# KiCad board prelude-driver-tail.kicad_pcb (continued)
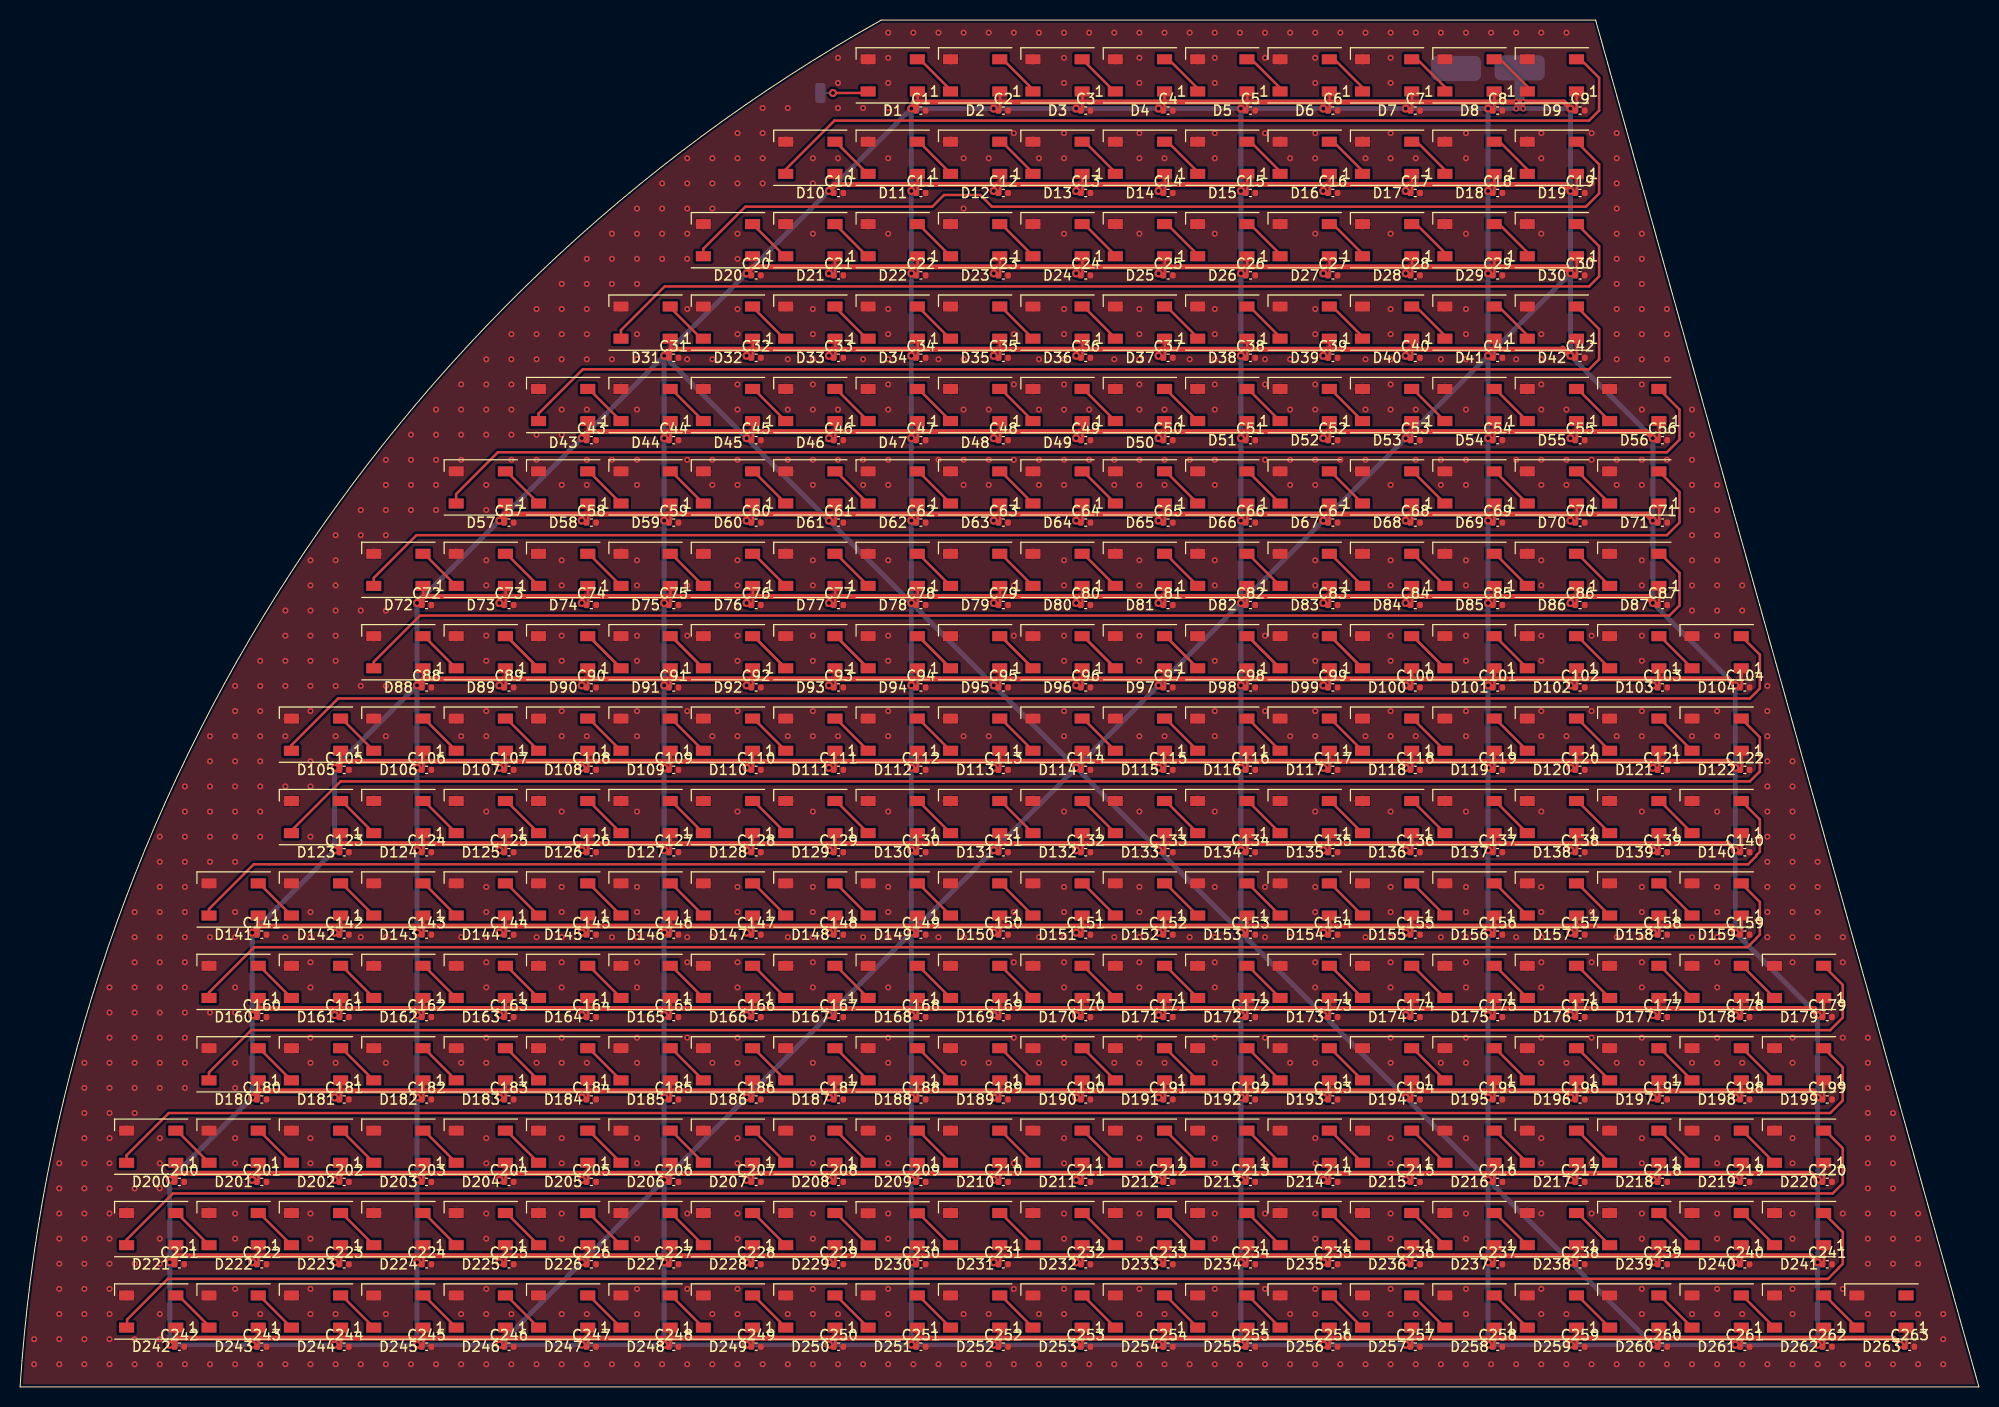
[diagram p0: board, top side]
## Routing (per net, layer and track width the routed paths; a pad name or vN(x,y) marks a point on that pad's centre or on a via; arc(x,y) is an arc through that point) (continued)
GND:
  vias: v1(1.4,4.75) v1(1.4,2.25) v1(3.9,22.25) v1(3.9,19.75) v1(3.9,17.25) v1(3.9,14.75) v1(3.9,12.25) v1(3.9,9.75) v1(3.9,7.25) v1(3.9,4.75) v1(3.9,2.25) v1(6.4,32.25) v1(6.4,29.75) v1(6.4,27.25) v1(6.4,24.75) v1(6.4,22.25) v1(6.4,19.75) v1(6.4,17.25) v1(6.4,14.75) v1(6.4,12.25) v1(6.4,9.75) v1(6.4,7.25) v1(6.4,4.75) v1(6.4,2.25) v1(8.9,39.75) v1(8.9,37.25) v1(8.9,34.75) v1(8.9,32.25) v1(8.9,29.75) v1(8.9,27.25) v1(8.9,24.75) v1(8.9,22.25) v1(8.9,19.75) v1(8.9,17.25) v1(8.9,14.75) v1(8.9,12.25) v1(8.9,9.75) v1(8.9,7.25) v1(8.9,4.75) v1(8.9,2.25) v1(11.4,47.25) v1(11.4,44.75) v1(11.4,42.25) v1(11.4,39.75) v1(11.4,37.25) v1(11.4,34.75) v1(11.4,32.25) v1(11.4,29.75) v1(11.4,27.25) v1(11.4,19.75) v1(11.4,12.25) v1(11.4,4.75) v1(11.4,2.25) v1(13.9,54.75) v1(13.9,52.25) v1(13.9,49.75) v1(13.9,47.25) v1(13.9,44.75) v1(13.9,42.25) v1(13.9,39.75) v1(13.9,37.25) v1(13.9,34.75) v1(13.9,32.25) v1(13.9,29.75) v1(13.9,24.75) v1(13.9,22.25) v1(13.9,19.75) v1(13.9,14.75) v1(13.9,12.25) v1(13.9,7.25) v1(13.9,4.75) v1(13.9,2.25) v1(16.4,59.75) v1(16.4,57.25) v1(16.4,54.75) v1(16.4,52.25) v1(16.4,49.75) v1(16.4,47.25) v1(16.4,44.75) v1(16.4,42.25) v1(16.4,39.75) v1(16.4,37.25) v1(16.4,34.75) v1(16.4,32.25) v1(16.4,29.75) v1(16.4,2.25) v1(18.9,64.75) v1(18.9,62.25) v1(18.9,59.75) v1(18.9,57.25) v1(18.9,54.75) v1(18.9,52.25) v1(18.9,44.75) v1(18.9,37.25) v1(18.9,2.25) v1(21.4,69.75) v1(21.4,67.25) v1(21.4,64.75) v1(21.4,62.25) v1(21.4,59.75) v1(21.4,57.25) v1(21.4,54.75) v1(21.4,52.25) v1(21.4,47.25) v1(21.4,44.75) v1(21.4,39.75) v1(21.4,37.25) v1(21.4,32.25) v1(21.4,29.75) v1(21.4,24.75) v1(21.4,22.25) v1(21.4,17.25) v1(21.4,14.75) v1(21.4,9.75) v1(21.4,7.25) v1(21.4,2.25) v1(23.9,72.25) v1(23.9,69.75) v1(23.9,67.25) v1(23.9,64.75) v1(23.9,62.25) v1(23.9,59.75) v1(23.9,57.25) v1(23.9,54.75) v1(23.9,7.25) v1(23.9,2.25) v1(26.4,77.25) v1(26.4,74.75) v1(26.4,72.25) v1(26.4,69.75) v1(26.4,64.75) v1(26.4,59.75) v1(26.4,44.75) v1(26.4,2.25) v1(28.9,82.25) v1(28.9,79.75) v1(28.9,77.25) v1(28.9,74.75) v1(28.9,72.25) v1(28.9,69.75) v1(28.9,67.25) v1(28.9,62.25) v1(28.9,59.75) v1(28.9,54.75) v1(28.9,47.25) v1(28.9,44.75) v1(28.9,42.25) v1(28.9,39.75) v1(28.9,34.75) v1(28.9,32.25) v1(28.9,24.75) v1(28.9,22.25) v1(28.9,17.25) v1(28.9,14.75) v1(28.9,9.75) v1(28.9,7.25) v1(28.9,2.25) v1(31.4,84.75) v1(31.4,82.25) v1(31.4,79.75) v1(31.4,77.25) v1(31.4,74.75) v1(31.4,72.25) v1(31.4,69.75) v1(31.4,64.75) v1(31.4,32.25) v1(31.4,7.25) v1(31.4,2.25) v1(33.9,87.25) v1(33.9,84.75) v1(33.9,77.25) v1(33.9,69.75) v1(33.9,44.75) v1(33.9,2.25) v1(36.4,92.25) v1(36.4,89.75) v1(36.4,87.25) v1(36.4,84.75) v1(36.4,77.25) v1(36.4,69.75) v1(36.4,64.75) v1(36.4,44.75) v1(36.4,32.25) v1(36.4,7.25) v1(36.4,2.25) v1(38.9,94.75) v1(38.9,92.25) v1(38.9,89.75) v1(38.9,87.25) v1(38.9,2.25) v1(41.4,97.25) v1(41.4,94.75) v1(41.4,92.25) v1(41.4,89.75) v1(41.4,87.25) v1(41.4,2.25) v1(43.9,99.75) v1(43.9,97.25) v1(43.9,94.75) v1(43.9,92.25) v1(43.9,64.75) v1(43.9,44.75) v1(43.9,32.25) v1(43.9,7.25) v1(43.9,2.25) v1(46.4,102.25) v1(46.4,99.75) v1(46.4,97.25) v1(46.4,94.75) v1(46.4,89.75) v1(46.4,87.25) v1(46.4,82.25) v1(46.4,79.75) v1(46.4,74.75) v1(46.4,72.25) v1(46.4,67.25) v1(46.4,64.75) v1(46.4,57.25) v1(46.4,49.75) v1(46.4,47.25) v1(46.4,44.75) v1(46.4,42.25) v1(46.4,39.75) v1(46.4,34.75) v1(46.4,32.25) v1(46.4,24.75) v1(46.4,22.25) v1(46.4,17.25) v1(46.4,14.75) v1(46.4,9.75) v1(46.4,7.25) v1(46.4,2.25) v1(48.9,104.75) v1(48.9,102.25) v1(48.9,99.75) v1(48.9,97.25) v1(48.9,94.75) v1(48.9,92.25) v1(48.9,7.25) v1(48.9,2.25) v1(51.4,107.25) v1(51.4,104.75) v1(51.4,102.25) v1(51.4,94.75) v1(51.4,92.25) v1(51.4,44.75) v1(51.4,32.25) v1(51.4,2.25) v1(53.9,109.75) v1(53.9,107.25) v1(53.9,104.75) v1(53.9,102.25) v1(53.9,97.25) v1(53.9,94.75) v1(53.9,89.75) v1(53.9,82.25) v1(53.9,79.75) v1(53.9,74.75) v1(53.9,72.25) v1(53.9,67.25) v1(53.9,64.75) v1(53.9,57.25) v1(53.9,49.75) v1(53.9,47.25) v1(53.9,44.75) v1(53.9,42.25) v1(53.9,39.75) v1(53.9,34.75) v1(53.9,32.25) v1(53.9,24.75) v1(53.9,22.25) v1(53.9,17.25) v1(53.9,14.75) v1(53.9,7.25) v1(53.9,2.25) v1(56.4,112.25) v1(56.4,109.75) v1(56.4,107.25) v1(56.4,104.75) v1(56.4,102.25) v1(56.4,97.25) v1(56.4,92.25) v1(56.4,89.75) v1(56.4,64.75) v1(56.4,32.25) v1(56.4,7.25) v1(56.4,2.25) v1(58.9,114.75) v1(58.9,112.25) v1(58.9,109.75) v1(58.9,102.25) v1(58.9,92.25) v1(58.9,44.75) v1(58.9,2.25) v1(61.4,117.25) v1(61.4,114.75) v1(61.4,112.25) v1(61.4,109.75) v1(61.4,104.75) v1(61.4,102.25) v1(61.4,97.25) v1(61.4,92.25) v1(61.4,89.75) v1(61.4,82.25) v1(61.4,79.75) v1(61.4,74.75) v1(61.4,72.25) v1(61.4,67.25) v1(61.4,64.75) v1(61.4,57.25) v1(61.4,49.75) v1(61.4,47.25) v1(61.4,44.75) v1(61.4,42.25) v1(61.4,39.75) v1(61.4,34.75) v1(61.4,32.25) v1(61.4,24.75) v1(61.4,22.25) v1(61.4,14.75) v1(61.4,9.75) v1(61.4,7.25) v1(61.4,2.25) v1(63.9,119.75) v1(63.9,117.25) v1(63.9,114.75) v1(63.9,112.25) v1(63.9,2.25) v1(66.4,122.25) v1(66.4,119.75) v1(66.4,117.25) v1(66.4,114.75) v1(66.4,112.25) v1(66.4,107.25) v1(66.4,102.25) v1(66.4,92.25) v1(66.4,79.75) v1(66.4,74.75) v1(66.4,67.25) v1(66.4,44.75) v1(66.4,42.25) v1(66.4,34.75) v1(66.4,17.25) v1(66.4,9.75) v1(66.4,2.25) v1(68.9,122.25) v1(68.9,119.75) v1(68.9,117.25) v1(68.9,102.25) v1(68.9,92.25) v1(68.9,89.75) v1(68.9,64.75) v1(68.9,44.75) v1(68.9,32.25) v1(68.9,7.25) v1(68.9,2.25) v1(71.4,124.75) v1(71.4,122.25) v1(71.4,119.75) v1(71.4,114.75) v1(71.4,112.25) v1(71.4,107.25) v1(71.4,104.75) v1(71.4,99.75) v1(71.4,97.25) v1(71.4,92.25) v1(71.4,89.75) v1(71.4,82.25) v1(71.4,79.75) v1(71.4,74.75) v1(71.4,72.25) v1(71.4,67.25) v1(71.4,64.75) v1(71.4,57.25) v1(71.4,49.75) v1(71.4,47.25) v1(71.4,42.25) v1(71.4,39.75) v1(71.4,34.75) v1(71.4,32.25) v1(71.4,24.75) v1(71.4,22.25) v1(71.4,17.25) v1(71.4,14.75) v1(71.4,9.75) v1(71.4,7.25) v1(71.4,2.25) v1(73.9,127.25) v1(73.9,124.75) v1(73.9,122.25) v1(73.9,119.75) v1(73.9,2.25) v1(76.4,127.25) v1(76.4,102.25) v1(76.4,97.25) v1(76.4,92.25) v1(76.4,64.75) v1(76.4,44.75) v1(76.4,7.25) v1(76.4,2.25) v1(78.9,122.25) v1(78.9,119.75) v1(78.9,114.75) v1(78.9,107.25) v1(78.9,104.75) v1(78.9,102.25) v1(78.9,99.75) v1(78.9,97.25) v1(78.9,92.25) v1(78.9,89.75) v1(78.9,82.25) v1(78.9,79.75) v1(78.9,74.75) v1(78.9,72.25) v1(78.9,67.25) v1(78.9,64.75) v1(78.9,57.25) v1(78.9,49.75) v1(78.9,47.25) v1(78.9,44.75) v1(78.9,42.25) v1(78.9,39.75) v1(78.9,32.25) v1(78.9,24.75) v1(78.9,22.25) v1(78.9,17.25) v1(78.9,14.75) v1(78.9,9.75) v1(78.9,7.25) v1(78.9,2.25) v1(81.4,132.25) v1(81.4,129.75) v1(81.4,127.25) v1(81.4,122.25) v1(81.4,97.25) v1(81.4,92.25) v1(81.4,64.75) v1(81.4,7.25) v1(81.4,2.25) v1(83.9,127.25) v1(83.9,102.25) v1(83.9,92.25) v1(83.9,89.75) v1(83.9,44.75) v1(83.9,2.25) v1(86.4,134.75) v1(86.4,132.25) v1(86.4,129.75) v1(86.4,127.25) v1(86.4,122.25) v1(86.4,114.75) v1(86.4,107.25) v1(86.4,104.75) v1(86.4,102.25) v1(86.4,99.75) v1(86.4,97.25) v1(86.4,92.25) v1(86.4,89.75) v1(86.4,82.25) v1(86.4,74.75) v1(86.4,72.25) v1(86.4,67.25) v1(86.4,64.75) v1(86.4,57.25) v1(86.4,49.75) v1(86.4,47.25) v1(86.4,44.75) v1(86.4,39.75) v1(86.4,34.75) v1(86.4,32.25) v1(86.4,24.75) v1(86.4,22.25) v1(86.4,17.25) v1(86.4,14.75) v1(86.4,9.75) v1(86.4,7.25) v1(86.4,2.25) v1(88.9,134.75) v1(88.9,2.25) v1(91.4,134.75) v1(91.4,102.25) v1(91.4,92.25) v1(91.4,44.75) v1(91.4,2.25) v1(93.9,134.75) v1(93.9,122.25) v1(93.9,117.25) v1(93.9,102.25) v1(93.9,97.25) v1(93.9,92.25) v1(93.9,89.75) v1(93.9,64.75) v1(93.9,44.75) v1(93.9,32.25) v1(93.9,7.25) v1(93.9,2.25) v1(96.4,134.75) v1(96.4,122.25) v1(96.4,97.25) v1(96.4,92.25) v1(96.4,89.75) v1(96.4,64.75) v1(96.4,32.25) v1(96.4,7.25) v1(96.4,2.25) v1(98.9,134.75) v1(98.9,124.75) v1(98.9,104.75) v1(98.9,99.75) v1(98.9,92.25) v1(98.9,79.75) v1(98.9,74.75) v1(98.9,47.25) v1(98.9,42.25) v1(98.9,34.75) v1(98.9,22.25) v1(98.9,9.75) v1(98.9,2.25) v1(101.4,134.75) v1(101.4,122.25) v1(101.4,102.25) v1(101.4,97.25) v1(101.4,92.25) v1(101.4,89.75) v1(101.4,44.75) v1(101.4,32.25) v1(101.4,7.25) v1(101.4,2.25) v1(103.9,134.75) v1(103.9,132.25) v1(103.9,129.75) v1(103.9,124.75) v1(103.9,122.25) v1(103.9,114.75) v1(103.9,107.25) v1(103.9,104.75) v1(103.9,102.25) v1(103.9,99.75) v1(103.9,97.25) v1(103.9,92.25) v1(103.9,89.75) v1(103.9,82.25) v1(103.9,79.75) v1(103.9,74.75) v1(103.9,72.25) v1(103.9,67.25) v1(103.9,64.75) v1(103.9,57.25) v1(103.9,49.75) v1(103.9,47.25) v1(103.9,44.75) v1(103.9,42.25) v1(103.9,39.75) v1(103.9,34.75) v1(103.9,32.25) v1(103.9,24.75) v1(103.9,22.25) v1(103.9,17.25) v1(103.9,14.75) v1(103.9,9.75) v1(103.9,7.25) v1(103.9,2.25) v1(106.4,134.75) v1(106.4,97.25) v1(106.4,92.25) v1(106.4,2.25) v1(108.9,134.75) v1(108.9,102.25) v1(108.9,92.25) v1(108.9,89.75) v1(108.9,44.75) v1(108.9,32.25) v1(108.9,2.25) v1(111.4,134.75) v1(111.4,132.25) v1(111.4,129.75) v1(111.4,124.75) v1(111.4,122.25) v1(111.4,114.75) v1(111.4,107.25) v1(111.4,104.75) v1(111.4,102.25) v1(111.4,99.75) v1(111.4,97.25) v1(111.4,92.25) v1(111.4,89.75) v1(111.4,82.25) v1(111.4,79.75) v1(111.4,74.75) v1(111.4,72.25) v1(111.4,64.75) v1(111.4,57.25) v1(111.4,49.75) v1(111.4,47.25) v1(111.4,44.75) v1(111.4,42.25) v1(111.4,39.75) v1(111.4,34.75) v1(111.4,32.25) v1(111.4,24.75) v1(111.4,22.25) v1(111.4,17.25) v1(111.4,14.75) v1(111.4,9.75) v1(111.4,7.25) v1(111.4,2.25) v1(113.9,134.75) v1(113.9,122.25) v1(113.9,97.25) v1(113.9,92.25) v1(113.9,89.75) v1(113.9,64.75) v1(113.9,32.25) v1(113.9,7.25) v1(113.9,2.25) v1(116.4,134.75) v1(116.4,102.25) v1(116.4,92.25) v1(116.4,44.75) v1(116.4,2.25) v1(118.9,134.75) v1(118.9,132.25) v1(118.9,129.75) v1(118.9,124.75) v1(118.9,122.25) v1(118.9,114.75) v1(118.9,107.25) v1(118.9,104.75) v1(118.9,102.25) v1(118.9,99.75) v1(118.9,97.25) v1(118.9,92.25) v1(118.9,89.75) v1(118.9,82.25) v1(118.9,79.75) v1(118.9,72.25) v1(118.9,67.25) v1(118.9,64.75) v1(118.9,57.25) v1(118.9,49.75) v1(118.9,44.75) v1(118.9,42.25) v1(118.9,39.75) v1(118.9,34.75) v1(118.9,32.25) v1(118.9,24.75) v1(118.9,22.25) v1(118.9,17.25) v1(118.9,14.75) v1(118.9,9.75) v1(118.9,7.25) v1(118.9,2.25) v1(121.4,134.75) v1(121.4,2.25) v1(123.9,134.75) v1(123.9,132.25) v1(123.9,124.75) v1(123.9,102.25) v1(123.9,99.75) v1(123.9,92.25) v1(123.9,74.75) v1(123.9,67.25) v1(123.9,49.75) v1(123.9,44.75) v1(123.9,34.75) v1(123.9,22.25) v1(123.9,17.25) v1(123.9,9.75) v1(123.9,2.25) v1(126.4,134.75) v1(126.4,122.25) v1(126.4,102.25) v1(126.4,97.25) v1(126.4,92.25) v1(126.4,89.75) v1(126.4,64.75) v1(126.4,44.75) v1(126.4,32.25) v1(126.4,7.25) v1(126.4,2.25) v1(128.9,134.75) v1(128.9,132.25) v1(128.9,129.75) v1(128.9,124.75) v1(128.9,122.25) v1(128.9,114.75) v1(128.9,107.25) v1(128.9,104.75) v1(128.9,99.75) v1(128.9,97.25) v1(128.9,92.25) v1(128.9,89.75) v1(128.9,82.25) v1(128.9,79.75) v1(128.9,74.75) v1(128.9,72.25) v1(128.9,67.25) v1(128.9,64.75) v1(128.9,57.25) v1(128.9,49.75) v1(128.9,47.25) v1(128.9,42.25) v1(128.9,39.75) v1(128.9,34.75) v1(128.9,32.25) v1(128.9,24.75) v1(128.9,22.25) v1(128.9,17.25) v1(128.9,14.75) v1(128.9,9.75) v1(128.9,7.25) v1(128.9,2.25) v1(131.4,134.75) v1(131.4,92.25) v1(131.4,2.25) v1(133.9,134.75) v1(133.9,122.25) v1(133.9,102.25) v1(133.9,97.25) v1(133.9,92.25) v1(133.9,64.75) v1(133.9,44.75) v1(133.9,7.25) v1(133.9,2.25) v1(136.4,134.75) v1(136.4,132.25) v1(136.4,129.75) v1(136.4,124.75) v1(136.4,122.25) v1(136.4,114.75) v1(136.4,107.25) v1(136.4,104.75) v1(136.4,102.25) v1(136.4,99.75) v1(136.4,97.25) v1(136.4,89.75) v1(136.4,82.25) v1(136.4,79.75) v1(136.4,74.75) v1(136.4,72.25) v1(136.4,67.25) v1(136.4,64.75) v1(136.4,57.25) v1(136.4,49.75) v1(136.4,47.25) v1(136.4,44.75) v1(136.4,42.25) v1(136.4,39.75) v1(136.4,34.75) v1(136.4,32.25) v1(136.4,24.75) v1(136.4,22.25) v1(136.4,17.25) v1(136.4,14.75) v1(136.4,9.75) v1(136.4,7.25) v1(136.4,2.25) v1(138.9,134.75) v1(138.9,122.25) v1(138.9,97.25) v1(138.9,92.25) v1(138.9,64.75) v1(138.9,7.25) v1(138.9,2.25) v1(141.4,134.75) v1(141.4,102.25) v1(141.4,92.25) v1(141.4,89.75) v1(141.4,44.75) v1(141.4,32.25) v1(141.4,2.25) v1(143.9,134.75) v1(143.9,124.75) v1(143.9,122.25) v1(143.9,114.75) v1(143.9,107.25) v1(143.9,104.75) v1(143.9,102.25) v1(143.9,97.25) v1(143.9,92.25) v1(143.9,89.75) v1(143.9,82.25) v1(143.9,79.75) v1(143.9,74.75) v1(143.9,72.25) v1(143.9,67.25) v1(143.9,64.75) v1(143.9,57.25) v1(143.9,49.75) v1(143.9,47.25) v1(143.9,44.75) v1(143.9,42.25) v1(143.9,39.75) v1(143.9,34.75) v1(143.9,32.25) v1(143.9,24.75) v1(143.9,17.25) v1(143.9,14.75) v1(143.9,9.75) v1(143.9,7.25) v1(143.9,2.25) v1(146.4,134.75) v1(146.4,2.25) v1(148.9,134.75) v1(148.9,102.25) v1(148.9,92.25) v1(148.9,44.75) v1(148.9,2.25) v1(151.4,134.75) v1(151.4,124.75) v1(151.4,122.25) v1(151.4,114.75) v1(151.4,104.75) v1(151.4,102.25) v1(151.4,99.75) v1(151.4,97.25) v1(151.4,92.25) v1(151.4,89.75) v1(151.4,82.25) v1(151.4,79.75) v1(151.4,74.75) v1(151.4,72.25) v1(151.4,67.25) v1(151.4,64.75) v1(151.4,57.25) v1(151.4,49.75) v1(151.4,47.25) v1(151.4,44.75) v1(151.4,42.25) v1(151.4,39.75) v1(151.4,34.75) v1(151.4,32.25) v1(151.4,24.75) v1(151.4,22.25) v1(151.4,17.25) v1(151.4,9.75) v1(151.4,7.25) v1(151.4,2.25) v1(153.9,134.75) v1(153.9,97.25) v1(153.9,92.25) v1(153.9,89.75) v1(153.9,64.75) v1(153.9,32.25) v1(153.9,7.25) v1(153.9,2.25) v1(156.4,124.75) v1(156.4,119.75) v1(156.4,112.25) v1(156.4,92.25) v1(156.4,79.75) v1(156.4,74.75) v1(156.4,67.25) v1(156.4,47.25) v1(156.4,42.25) v1(156.4,34.75) v1(156.4,22.25) v1(156.4,17.25) v1(156.4,2.25) v1(158.9,124.75) v1(158.9,122.25) v1(158.9,119.75) v1(158.9,117.25) v1(158.9,114.75) v1(158.9,112.25) v1(158.9,109.75) v1(158.9,107.25) v1(158.9,104.75) v1(158.9,102.25) v1(158.9,92.25) v1(158.9,89.75) v1(158.9,64.75) v1(158.9,44.75) v1(158.9,32.25) v1(158.9,2.25) v1(161.4,114.75) v1(161.4,112.25) v1(161.4,109.75) v1(161.4,107.25) v1(161.4,104.75) v1(161.4,102.25) v1(161.4,99.75) v1(161.4,97.25) v1(161.4,92.25) v1(161.4,89.75) v1(161.4,82.25) v1(161.4,79.75) v1(161.4,74.75) v1(161.4,72.25) v1(161.4,67.25) v1(161.4,64.75) v1(161.4,57.25) v1(161.4,49.75) v1(161.4,47.25) v1(161.4,44.75) v1(161.4,42.25) v1(161.4,39.75) v1(161.4,34.75) v1(161.4,32.25) v1(161.4,24.75) v1(161.4,22.25) v1(161.4,17.25) v1(161.4,14.75) v1(161.4,9.75) v1(161.4,7.25) v1(161.4,2.25) v1(163.9,107.25) v1(163.9,104.75) v1(163.9,102.25) v1(163.9,92.25) v1(163.9,2.25) v1(166.4,97.25) v1(166.4,94.75) v1(166.4,92.25) v1(166.4,89.75) v1(166.4,87.25) v1(166.4,84.75) v1(166.4,82.25) v1(166.4,79.75) v1(166.4,77.25) v1(166.4,64.75) v1(166.4,44.75) v1(166.4,32.25) v1(166.4,7.25) v1(166.4,2.25) v1(168.9,89.75) v1(168.9,87.25) v1(168.9,84.75) v1(168.9,82.25) v1(168.9,79.75) v1(168.9,77.25) v1(168.9,74.75) v1(168.9,67.25) v1(168.9,64.75) v1(168.9,57.25) v1(168.9,49.75) v1(168.9,47.25) v1(168.9,44.75) v1(168.9,42.25) v1(168.9,39.75) v1(168.9,34.75) v1(168.9,32.25) v1(168.9,24.75) v1(168.9,22.25) v1(168.9,17.25) v1(168.9,14.75) v1(168.9,9.75) v1(168.9,7.25) v1(168.9,2.25) v1(171.4,79.75) v1(171.4,77.25) v1(171.4,32.25) v1(171.4,7.25) v1(171.4,2.25) v1(173.9,69.75) v1(173.9,67.25) v1(173.9,64.75) v1(173.9,62.25) v1(173.9,59.75) v1(173.9,57.25) v1(173.9,54.75) v1(173.9,52.25) v1(173.9,49.75) v1(173.9,47.25) v1(173.9,44.75) v1(173.9,2.25) v1(176.4,62.25) v1(176.4,59.75) v1(176.4,57.25) v1(176.4,54.75) v1(176.4,52.25) v1(176.4,49.75) v1(176.4,47.25) v1(176.4,44.75) v1(176.4,42.25) v1(176.4,34.75) v1(176.4,32.25) v1(176.4,24.75) v1(176.4,22.25) v1(176.4,17.25) v1(176.4,14.75) v1(176.4,9.75) v1(176.4,7.25) v1(176.4,2.25) v1(178.9,52.25) v1(178.9,49.75) v1(178.9,47.25) v1(178.9,44.75) v1(178.9,2.25) v1(181.4,44.75) v1(181.4,42.25) v1(181.4,34.75) v1(181.4,17.25) v1(181.4,9.75) v1(181.4,2.25) v1(183.9,34.75) v1(183.9,32.25) v1(183.9,29.75) v1(183.9,27.25) v1(183.9,24.75) v1(183.9,22.25) v1(183.9,19.75) v1(183.9,17.25) v1(183.9,14.75) v1(183.9,12.25) v1(183.9,7.25) v1(183.9,2.25) v1(186.4,27.25) v1(186.4,24.75) v1(186.4,22.25) v1(186.4,19.75) v1(186.4,17.25) v1(186.4,14.75) v1(186.4,12.25) v1(186.4,7.25) v1(186.4,2.25) v1(188.9,17.25) v1(188.9,14.75) v1(188.9,12.25) v1(188.9,7.25) v1(188.9,2.25) v1(191.4,7.25) v1(191.4,4.75) v1(191.4,2.25)
/DriverBrakeLeds/DRIVER_BRAKE_LED_DIN: length 4.8
  Top w0.25: v2(80.9,128.75) 84.25,128.75 D1.4
  Bottom w0.25: v2(80.9,128.75) DIN.1
Net-(D1-Pad2): length 4.8
  Top w0.25: 92.75,128.9 89.55,132.1 89.31,132.1
Net-(D2-Pad2): length 4.7
  Top w0.25: 97.65,132.1 97.8,132.1 101,128.9
Net-(D3-Pad2): length 4.6
  Top w0.25: D4.4 108.9,128.9 D3.2
Net-(D4-Pad2): length 4.5
  Top w0.25: 114.3,132.1 117.5,128.9
Net-(D5-Pad2): length 4.7
  Top w0.25: 122.4,132.1 122.55,132.1 125.75,128.9
Net-(D6-Pad2): length 4.7
  Top w0.25: 130.65,132.1 130.8,132.1 134,128.9
Net-(D7-Pad2): length 4.7
  Top w0.25: 138.9,132.1 139.05,132.1 142.25,128.9
Net-(D8-Pad2): length 4.7
  Top w0.25: 150.5,128.9 147.3,132.1 147.15,132.1
Net-(D10-Pad2): length 4.6
  Top w0.25: 84.41,120.65 81.21,123.85 81.1,123.85
Net-(D10-Pad4): length 89.7
  Top w0.25: 155.3,132.1 157.15,130.25 157.15,127 156.15,126 81.05,126 76.2,121.15 D10.4
Net-(D11-Pad2): length 4.7
  Top w0.25: 92.7,120.65 89.5,123.85 89.31,123.85
Net-(D12-Pad2): length 4.7
  Top w0.25: 97.6,123.85 97.75,123.85 100.95,120.65
Net-(D13-Pad2): length 4.7
  Top w0.25: 109.2,120.65 106,123.85 105.85,123.85
Net-(D14-Pad2): length 4.7
  Top w0.25: 117.45,120.65 114.25,123.85 114.1,123.85
Net-(D15-Pad2): length 4.7
  Top w0.25: 122.35,123.85 122.5,123.85 125.7,120.65
Net-(D16-Pad2): length 4.7
  Top w0.25: 130.6,123.85 130.75,123.85 133.95,120.65
Net-(D17-Pad2): length 4.7
  Top w0.25: 142.25,120.65 139.05,123.85 138.85,123.85
Net-(D18-Pad2): length 4.7
  Top w0.25: 150.5,120.65 147.3,123.85 147.15,123.85
Net-(D19-Pad2): length 99.2
  Top w0.25: D20.4 68,113.25 72.19,117.44 90.79,117.44 91.95,118.6 95.55,118.6 96.72,117.44 155.84,117.44 157.15,118.75 157.15,121.65 D19.2
Net-(D20-Pad2): length 4.7
  Top w0.25: 76.2,112.4 73,115.6 72.85,115.6
Net-(D21-Pad2): length 4.6
  Top w0.25: 81.1,115.6 81.21,115.6 84.41,112.4
Net-(D22-Pad2): length 4.7
  Top w0.25: 92.7,112.4 89.5,115.6 89.31,115.6
Net-(D23-Pad2): length 4.7
  Top w0.25: 100.95,112.4 97.75,115.6 97.6,115.6
Net-(D24-Pad2): length 4.7
  Top w0.25: 105.85,115.6 106,115.6 109.2,112.4
Net-(D25-Pad2): length 4.7
  Top w0.25: 114.1,115.6 114.25,115.6 117.45,112.4
Net-(D26-Pad2): length 4.7
  Top w0.25: 122.35,115.6 122.5,115.6 125.7,112.4
Net-(D27-Pad2): length 4.7
  Top w0.25: 133.95,112.4 130.75,115.6 130.6,115.6
Net-(D28-Pad2): length 4.7
  Top w0.25: 142.25,112.4 139.05,115.6 138.85,115.6
Net-(D29-Pad2): length 4.7
  Top w0.25: 147.15,115.6 147.3,115.6 150.5,112.4
Net-(D30-Pad2): length 106.5
  Top w0.25: D31.4 59.8,105.15 64.15,109.5 156.15,109.5 157.15,110.5 157.15,113.5 154.95,115.7
Net-(D31-Pad2): length 4.5
  Top w0.25: 64.75,107.35 67.95,104.15
Net-(D32-Pad2): length 4.7
  Top w0.25: 72.85,107.35 73,107.35 76.2,104.15
Net-(D33-Pad2): length 4.6
  Top w0.25: 81.1,107.35 81.21,107.35 84.41,104.15
Net-(D34-Pad2): length 4.7
  Top w0.25: 89.31,107.35 89.5,107.35 92.7,104.15
Net-(D35-Pad2): length 4.7
  Top w0.25: 100.95,104.15 97.75,107.35 97.6,107.35
Net-(D36-Pad2): length 4.7
  Top w0.25: 105.85,107.35 106,107.35 109.2,104.15
Net-(D37-Pad2): length 4.7
  Top w0.25: 114.1,107.35 114.25,107.35 117.45,104.15
Net-(D38-Pad2): length 4.7
  Top w0.25: 122.35,107.35 122.5,107.35 125.7,104.15
Net-(D39-Pad2): length 4.7
  Top w0.25: 130.6,107.35 130.75,107.35 133.95,104.15
Net-(D40-Pad2): length 4.7
  Top w0.25: 142.25,104.15 139.05,107.35 138.85,107.35
Net-(D41-Pad2): length 4.7
  Top w0.25: 150.5,104.15 147.3,107.35 147.15,107.35
Net-(D42-Pad2): length 114.7
  Top w0.25: D43.4 51.6,96.85 56,101.25 156.15,101.25 157.15,102.25 157.15,105.25 D42.2
Net-(D43-Pad2): length 4.6
  Top w0.25: D44.4 56.6,99.3 D43.2
Net-(D44-Pad2): length 4.6
  Top w0.25: D45.4 64.8,99.3 D44.2
Net-(D45-Pad2): length 4.6
  Top w0.25: D46.4 73,99.3 D45.2
Net-(D46-Pad2): length 4.6
  Top w0.25: D46.2 81.2,99.3 D47.4
Net-(D47-Pad2): length 4.6
  Top w0.25: D47.2 89.4,99.3 D48.4
Net-(D48-Pad2): length 4.6
  Top w0.25: D49.4 97.6,99.3 D48.2
Net-(D49-Pad2): length 4.6
  Top w0.25: D50.4 105.8,99.3 D49.2
Net-(D50-Pad2): length 4.6
  Top w0.25: D50.2 114,99.3 D51.4
Net-(D51-Pad2): length 4.6
  Top w0.25: D51.2 122.2,99.3 D52.4
Net-(D52-Pad2): length 4.6
  Top w0.25: D53.4 130.4,99.3 D52.2
Net-(D53-Pad2): length 4.6
  Top w0.25: D53.2 138.6,99.3 D54.4
Net-(D54-Pad2): length 4.6
  Top w0.25: D54.2 146.8,99.3 D55.4
Net-(D55-Pad2): length 4.6
  Top w0.25: D55.2 155,99.3 D56.4
Net-(D56-Pad2): length 130.8
  Top w0.25: D57.4 43.4,88.85 47.55,93 163.9,93 165.15,94.25 165.15,97.25 D56.2
Net-(D57-Pad2): length 4.6
  Top w0.25: D58.4 48.4,91.1 D57.2
Net-(D58-Pad2): length 4.6
  Top w0.25: D59.4 56.6,91.1 D58.2
Net-(D59-Pad2): length 4.6
  Top w0.25: D60.4 64.8,91.1 D59.2
Net-(D60-Pad2): length 4.6
  Top w0.25: D61.4 73,91.1 D60.2
Net-(D61-Pad2): length 4.6
  Top w0.25: D62.4 81.2,91.1 D61.2
Net-(D62-Pad2): length 4.6
  Top w0.25: D62.2 89.4,91.1 D63.4
Net-(D63-Pad2): length 4.6
  Top w0.25: D63.2 97.6,91.1 D64.4
Net-(D64-Pad2): length 4.6
  Top w0.25: D65.4 105.8,91.1 D64.2
Net-(D65-Pad2): length 4.6
  Top w0.25: D65.2 114,91.1 D66.4
Net-(D66-Pad2): length 4.6
  Top w0.25: D66.2 122.2,91.1 D67.4
Net-(D67-Pad2): length 4.6
  Top w0.25: D68.4 130.4,91.1 D67.2
Net-(D68-Pad2): length 4.6
  Top w0.25: D69.4 138.6,91.1 D68.2
Net-(D69-Pad2): length 4.6
  Top w0.25: D70.4 146.8,91.1 D69.2
Net-(D70-Pad2): length 4.6
  Top w0.25: D71.4 155,91.1 D70.2
Net-(D71-Pad2): length 139
  Top w0.25: D72.4 35.2,80.5 39.45,84.75 163.9,84.75 165.15,86 165.15,89.05 D71.2
Net-(D72-Pad2): length 4.6
  Top w0.25: D72.2 40.2,82.9 D73.4
Net-(D73-Pad2): length 4.6
  Top w0.25: D74.4 48.4,82.9 D73.2
Net-(D74-Pad2): length 4.6
  Top w0.25: D74.2 56.6,82.9 D75.4
Net-(D75-Pad2): length 4.6
  Top w0.25: D75.2 64.8,82.9 D76.4
Net-(D76-Pad2): length 4.6
  Top w0.25: D76.2 73,82.9 D77.4
Net-(D77-Pad2): length 4.6
  Top w0.25: D77.2 81.2,82.9 D78.4
Net-(D78-Pad2): length 4.6
  Top w0.25: D78.2 89.4,82.9 D79.4
Net-(D79-Pad2): length 4.6
  Top w0.25: D79.2 97.6,82.9 D80.4
Net-(D80-Pad2): length 4.6
  Top w0.25: D81.4 105.8,82.9 D80.2
Net-(D81-Pad2): length 4.6
  Top w0.25: D81.2 114,82.9 D82.4
Net-(D82-Pad2): length 4.6
  Top w0.25: D82.2 122.2,82.9 D83.4
Net-(D83-Pad2): length 4.6
  Top w0.25: D84.4 130.4,82.9 D83.2
Net-(D84-Pad2): length 4.6
  Top w0.25: D85.4 138.6,82.9 D84.2
Net-(D85-Pad2): length 4.6
  Top w0.25: D86.4 146.8,82.9 D85.2
Net-(D86-Pad2): length 4.6
  Top w0.25: D86.2 155,82.9 D87.4
Net-(D87-Pad2): length 139
  Top w0.25: D87.2 163.25,82.9 165.15,81 165.15,77.75 164.15,76.75 39.8,76.75 35.2,72.15 D88.4
Net-(D88-Pad2): length 4.6
  Top w0.25: D89.4 40.2,74.7 D88.2
Net-(D89-Pad2): length 9.3
  Top w0.25: 48.4,74.7 D89.2 48.4,74.7 ; 48.4,74.7 D90.4 48.4,74.7
Net-(D90-Pad2): length 9.3
  Top w0.25: 56.6,74.7 D91.4 56.6,74.7 ; 56.6,74.7 D90.2 56.6,74.7
Net-(D91-Pad2): length 9.3
  Top w0.25: 64.8,74.7 D91.2 64.8,74.7 ; 64.8,74.7 D92.4 64.8,74.7
Net-(D92-Pad2): length 9.3
  Top w0.25: 73,74.7 D92.2 73,74.7 ; 73,74.7 D93.4 73,74.7
Net-(D93-Pad2): length 9.3
  Top w0.25: 81.2,74.7 D93.2 81.2,74.7 ; 81.2,74.7 D94.4 81.2,74.7
Net-(D94-Pad2): length 9.3
  Top w0.25: 89.4,74.7 D94.2 89.4,74.7 ; 89.4,74.7 D95.4 89.4,74.7
Net-(D95-Pad2): length 9.3
  Top w0.25: 97.6,74.7 D96.4 97.6,74.7 ; 97.6,74.7 D95.2 97.6,74.7
Net-(D96-Pad2): length 9.3
  Top w0.25: 105.8,74.7 D97.4 105.8,74.7 ; 105.8,74.7 D96.2 105.8,74.7
Net-(D97-Pad2): length 9.3
  Top w0.25: 114,74.7 D98.4 114,74.7 ; 114,74.7 D97.2 114,74.7
Net-(D98-Pad2): length 9.3
  Top w0.25: 122.2,74.7 D99.4 122.2,74.7 ; 122.2,74.7 D98.2 122.2,74.7
Net-(D100-Pad2): length 9.3
  Top w0.25: 138.6,74.7 D101.4 138.6,74.7 ; 138.6,74.7 D100.2 138.6,74.7
Net-(D100-Pad4): length 9.3
  Top w0.25: 130.4,74.7 D99.2 130.4,74.7 ; 130.4,74.7 D100.4 130.4,74.7
Net-(D101-Pad2): length 4.6
  Top w0.25: D102.4 146.8,74.7 D101.2
Net-(D102-Pad2): length 4.6
  Top w0.25: D102.2 155,74.7 D103.4
Net-(D103-Pad2): length 4.6
  Top w0.25: D103.2 163.2,74.7 D104.4
Net-(D104-Pad2): length 155
  Top w0.25: D105.4 27,63.85 31.65,68.5 172.15,68.5 173.15,69.5 173.15,72.85 D104.2
Net-(D105-Pad2): length 4.6
  Top w0.25: D106.4 32,66.5 D105.2
Net-(D106-Pad2): length 4.6
  Top w0.25: D106.2 40.2,66.5 D107.4
Net-(D107-Pad2): length 4.6
  Top w0.25: D107.2 48.4,66.5 D108.4
Net-(D108-Pad2): length 4.6
  Top w0.25: D109.4 56.6,66.5 D108.2
Net-(D109-Pad2): length 4.6
  Top w0.25: D110.4 64.8,66.5 D109.2
Net-(D110-Pad2): length 4.6
  Top w0.25: D110.2 73,66.5 D111.4
Net-(D111-Pad2): length 4.6
  Top w0.25: D111.2 81.2,66.5 D112.4
Net-(D112-Pad2): length 4.6
  Top w0.25: D113.4 89.4,66.5 D112.2
Net-(D113-Pad2): length 4.6
  Top w0.25: D113.2 97.6,66.5 D114.4
Net-(D114-Pad2): length 4.6
  Top w0.25: D115.4 105.8,66.5 D114.2
Net-(D115-Pad2): length 4.6
  Top w0.25: D115.2 114,66.5 D116.4
Net-(D116-Pad2): length 4.6
  Top w0.25: D116.2 122.2,66.5 D117.4
Net-(D117-Pad2): length 4.6
  Top w0.25: D118.4 130.4,66.5 D117.2
Net-(D118-Pad2): length 4.6